# Altium PCB Cueing-PCB.PcbDoc (part 2 of 2)
Units mm, origin at the board's own origin, x right, y up, seen from the top; angles counter-clockwise.
Board outline 73.91 x 83.82 mm, 4 copper layers (Top Layer, Int1 (GND), Int2 (PWR), Bottom Layer), stack 1.556 mm thick; 118 components, 86 nets, 421 pads, 121 vias.
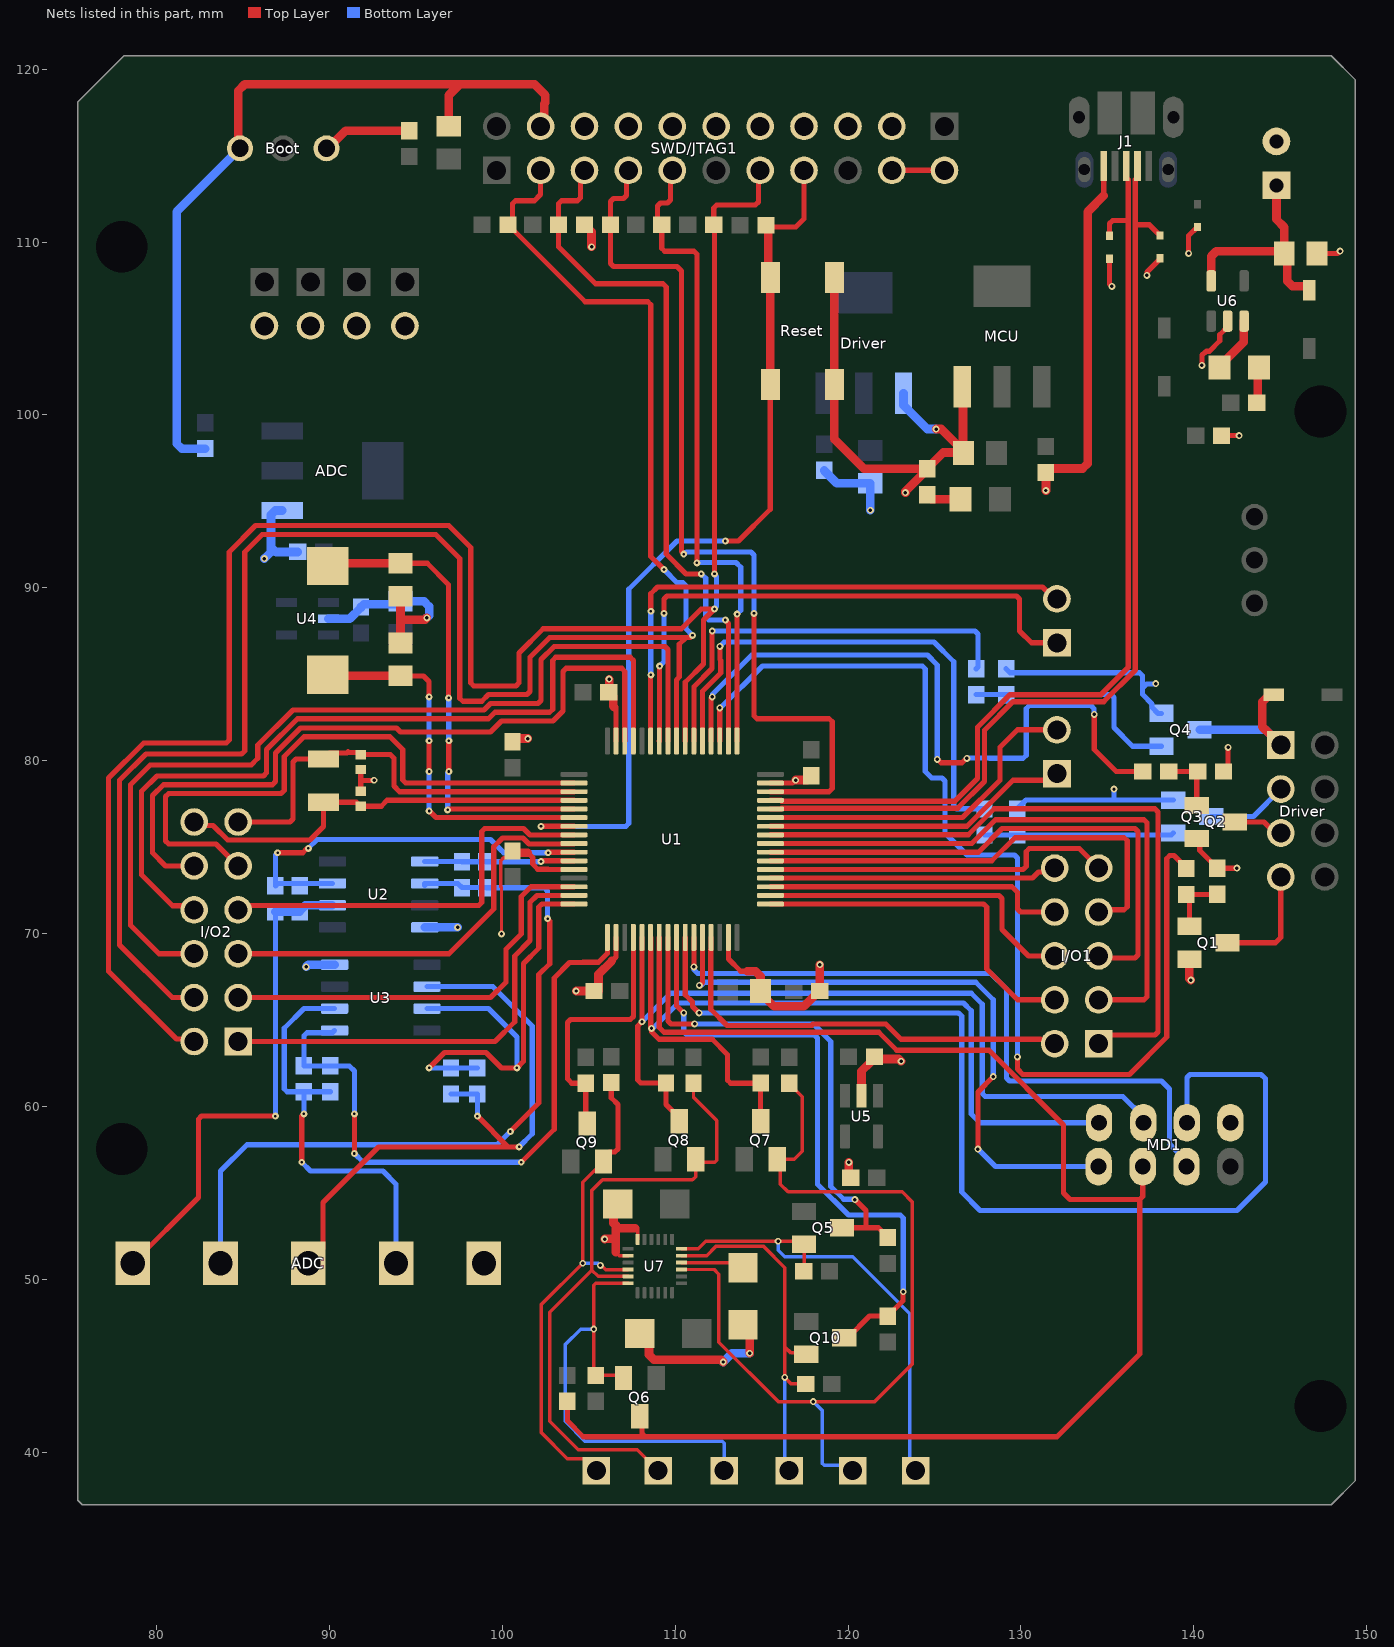
[diagram p4: the nets of this part, all layers, seen from the top]

## Via types
v1: diameter 0.4, hole 0.2, Top Layer to Bottom Layer, 77 vias
v2: diameter 0.4, hole 0.15, Top Layer to Bottom Layer, 44 vias

## Nets (pads, with @x,y where several pads share a name; then routed paths per layer and width w, separated by ;. In a path a pad name is that pad's centre, name@x,y a point inside that pad or via, vN(x,y) a via of type N, cw(c..) or ccw(c..) an arc to the next point about the centre after c; other vN are vias at no path point) (continued)
GND: 3.3v.2 ADC.1 Batterry1.2 Boot.3 C1.2 C2.2 C3.1 C4.1 C5.2 C6.2 C7.2 C8.2 C9.2 C10.2 C11.2 C12.2 C17.2 C18.2 C19.2 C20.2 C21.2 C22.2 C23.2 C24.2 C25.2 C26.2 C27.2 C28.2 C29.2 C30.2 C31.2 D2.1 D3.1 D4.1 Driver.1@123.204,101.261 J1.5 JP3.2 JP4.2 JP5.2 MCU.1 MD1.1 pad.2 pad.3 pad.4 pad.5 Q1.2 Q2.2 Q3.2 Q4.2 R7.1 R12.2 R15.1 R17.1 R20.1 R21.1 Reset.3 Reset.4 SWD/JTAG1.11 SWD/JTAG1.12 SWD/JTAG1.13 SWD/JTAG1.14 SWD/JTAG1.15 SWD/JTAG1.16 SWD/JTAG1.17 SWD/JTAG1.18 SWD/JTAG1.19 U1.12 U1.18 U1.31 U1.47 U1.63 U2.4 U3.4 U4.2 U5.2 U6.2 U7.18 U7.20 | length 214.6
  Top Layer w0.2: v1(99.949,69.977) 99.949,72.656 99.909,72.696 99.909,74.222 100.066,74.379 100.209,74.379 100.584,74.754 C9.2@100.584,74.779 ; 106.553,51.562 106.75,51.365 U7.20@107.273,51.365 ; 107.696,52.959 107.818,52.837 U7.18@107.818,52.31
  Top Layer w0.3: C3.1@91.8,79.487 91.807,79.48 91.807,78.86 ; C4.1@91.814,78.232 91.807,78.239 91.807,78.86 ; v1(92.583,78.867) 92.576,78.86 91.807,78.86 ; 101.473,74.676 101.751,74.398 101.751,74.015 102.049,73.718 102.63,73.718 102.642,73.706 U1.12@104.146,73.706 ; 106.334,68.416 106.566,68.647 106.566,69.766 U1.18@106.576,69.776 ; 106.476,83.095 106.576,82.995 U1.63@106.576,81.136 ; U1.31@113.076,69.776 113.076,68.534 113.792,67.818 114.173,67.818 ; U1.47@115.506,78.706 116.779,78.706 116.94,78.867 v1(116.967,78.867) ; 134.791,112.693 J1.5@134.791,114.4 ; D2.1@135.128,109.043 135.128,107.569 v1(135.255,107.442) ; v1(137.287,108.077) 137.287,108.266 138.049,109.028 D3.1@138.049,109.068 ; v1(139.7,109.347) 139.7,110.363 D4.1@140.208,110.871 ; Q2.2@140.167,75.504 140.343,75.328 140.343,74.803 140.348,74.803 141.351,73.8 R15.1@141.351,73.775 142.482,73.775 v1(142.494,73.787) ; v1(140.462,102.87) 140.481,102.889 140.481,103.475 140.638,103.632 140.68,103.632 140.739,103.691 140.902,103.691 141.505,104.294 141.505,104.639 141.955,105.089 U6.2@141.955,105.434 ; C19.2@141.605,98.806 v1(142.621,98.806) ; R17.1@141.72,79.375 141.986,79.641 v1(141.986,80.772) ; C28.2@147.131,109.344 148.306,109.344 148.436,109.474 v1(148.463,109.474)
  Top Layer w0.5: Boot.3@84.823,115.426 84.709,115.54 84.709,118.745 85.09,119.126 97.536,119.126 ; C1.2@94.104,89.518 94.107,89.514 94.107,88.162 ; C2.2@94.11,86.806 94.107,86.81 94.107,88.162 ; v1(95.631,88.265) 95.528,88.162 94.107,88.162 ; C12.2@96.901,116.708 96.901,118.491 97.536,119.126 ; C9.2@100.584,74.779 100.687,74.676 101.473,74.676 ; C10.2@100.584,81.091 100.773,81.28 v1(101.473,81.28) ; SWD/JTAG1.19@102.21,116.696 102.42,116.907 102.42,118.008 102.489,118.077 102.489,118.491 101.854,119.126 97.536,119.126 ; v1(104.267,66.675) C5.2@105.295,66.675 105.561,66.675 105.561,67.643 106.334,68.416 ; R7.1@104.755,111.007 104.78,111.007 105.005,110.782 105.005,110.757 105.156,110.606 v1(105.156,109.728) ; v1(105.918,52.324) 105.937,52.343 106.553,52.343 ; C8.2@106.16,83.947 106.172,83.959 v1(106.172,84.717) ; C8.2@106.41,83.722 106.41,83.161 106.476,83.095 ; 106.553,51.562 106.553,52.343 ; C30.2@106.681,54.356 106.426,54.101 106.426,53.252 106.553,53.125 ; 107.696,52.959 106.719,52.959 106.553,53.125 ; C29.2@107.952,46.863 108.482,46.333 108.482,45.632 108.774,45.339 112.649,45.339 v1(112.776,45.212) ; C31.2@113.919,47.371 114.3,46.99 v1(114.3,45.72) ; 114.173,67.818 114.642,67.818 114.935,67.525 114.935,66.68 C11.2@114.93,66.675 114.93,66.575 115.719,65.786 117.438,65.786 118.327,66.675 C6.2@118.352,66.675 118.352,68.187 v1(118.364,68.199) ; v1(116.967,78.867) 116.983,78.883 117.631,78.883 117.856,79.108 C7.2@117.856,79.133 ; Reset.4@119.199,107.959 Reset.3@119.199,101.759 119.199,98.606 120.916,96.889 R12.2@124.587,96.889 ; v1(120.045,56.759) 120.045,55.989 C27.2@120.154,55.88 ; U5.2@120.777,60.611 120.777,62.042 121.277,62.542 C26.2@121.277,62.64 ; C26.2@121.527,62.865 121.646,62.746 122.928,62.746 v1(123.063,62.611) ; v1(123.317,95.504) 123.317,95.594 124.587,96.864 R12.2@124.587,96.889 ; v1(125.095,99.187) 125.387,99.187 C17.2@126.643,97.931 ; MCU.1@126.605,101.642 126.643,101.604 C17.2@126.643,97.931 ; C17.2@126.681,97.793 126.681,97.893 C17.2@126.643,97.931 ; v1(131.445,95.631) C18.2@131.445,96.671 ; C18.2@131.67,96.901 133.565,96.901 133.858,97.194 133.858,111.76 134.791,112.693 ; Q1.2@139.743,68.519 139.743,67.394 v1(139.827,67.31) ; 106.553,52.343 106.553,53.125 ; R12.2@124.587,96.889 124.587,96.914 125.504,97.831 126.643,97.831 C17.2@126.643,97.931
  Bottom Layer w0.3: R21.1@129.141,85.322 129.373,85.09 136.857,85.09 137.033,84.914 137.033,84.201 ; R20.1@129.794,77.204 129.794,77.229 130.284,77.719 135.382,77.719 ; v1(135.382,78.359) 135.382,77.719 ; v1(137.795,84.455) 137.776,84.436 137.268,84.436 137.033,84.201 ; Q4.2@138.135,82.738 137.935,82.738 137.585,83.088 137.585,83.288 137.033,83.84 137.033,84.201 ; Q3.2@138.811,77.719 135.382,77.719
  Bottom Layer w0.5: C23.2@82.804,98.056 81.446,98.056 81.153,98.349 81.153,111.757 Boot.3@84.823,115.426 ; v1(86.233,91.694) 86.614,92.075 86.614,92.368 ; ADC.1@87.27,94.474 86.864,94.474 86.614,94.224 86.614,92.368 ; C21.2@88.162,92.075 86.907,92.075 86.614,92.368 ; v1(88.646,68.072) 88.773,68.199 U3.4@90.294,68.199 ; U4.2@89.941,88.214 89.945,88.218 91.176,88.218 91.821,88.863 C20.2@91.821,88.888 91.987,89.054 93.938,89.054 C22.2@94.104,89.219 95.465,89.219 95.758,88.927 95.758,88.392 v1(95.631,88.265) ; U2.4@95.507,70.358 v1(97.409,70.358) ; v1(112.776,45.212) 113.284,45.72 v1(114.3,45.72) ; C25.2@118.618,96.798 118.618,96.773 119.348,96.043 C24.2@121.284,96.043 v1(121.285,94.488) ; Driver.1@123.204,101.261 123.204,100.561 124.578,99.187 v1(125.095,99.187)
I2C_SCL: I2C.1 U1.58 | length 33.4
  Top Layer w0.3: U1.58@109.076,81.136 109.084,81.145 109.084,85.462 v2(109.093,85.471) ; v2(109.347,88.519) 109.347,89.359 109.523,89.535 129.745,89.535 129.921,89.359 129.921,87.503 130.603,86.821 I2C.1@132.08,86.821
  Bottom Layer w0.3: v2(109.093,85.471) 109.347,85.725 v2(109.347,88.519)
I2C_SDA: I2C.2 U1.59 | length 32.5
  Top Layer w0.3: U1.59@108.576,81.136 108.576,84.954 v2(108.585,84.963) ; v2(108.585,88.646) 108.585,89.662 108.966,90.043 131.254,90.043 131.936,89.361 I2C.2@132.08,89.361
  Bottom Layer w0.3: v2(108.585,84.963) v2(108.585,88.646)
IMU_CS: Q9.3 R29.1 U1.20 | length 15.3
  Top Layer w0.3: Q9.3@104.902,59.012 104.821,59.093 R29.1@104.821,61.341 104.013,61.341 103.759,61.595 103.759,64.848 103.935,65.024 107.4,65.024 107.576,65.2 U1.20@107.576,69.776
IMU_FSYNC: Q10.3 R30.1 U1.25 | length 36.8
  Top Layer w0.3: U1.25@110.076,69.776 110.076,65.819 v1(110.49,65.405) ; Q10.3@119.781,46.609 119.981,46.609 121.239,47.867 R30.1@122.301,47.867 ; R30.1@122.289,47.88 123.171,48.762 123.171,49.257 v1(123.19,49.276)
  Bottom Layer w0.3: v1(110.49,65.405) 110.49,64.311 110.666,64.135 118.061,64.135 118.237,63.959 118.237,55.499 120.015,53.721 123.014,53.721 123.19,53.545 v1(123.19,49.276)
IMU_INT: Q5.3 R24.1 U1.24 | length 29.6
  Top Layer w0.3: U1.24@109.576,69.776 109.576,64.946 109.751,64.77 v1(111.125,64.77) ; Q5.3@119.654,52.975 121.031,52.975 ; v1(120.396,54.61) 121.031,53.975 121.031,52.975 ; R24.1@122.301,52.411 122.301,52.436 121.762,52.975 121.031,52.975
  Bottom Layer w0.3: v1(111.125,64.77) 117.992,64.77 118.999,63.763 118.999,55.372 119.746,54.625 120.381,54.625 v1(120.396,54.61)
IMU_MISO: MISO.1 Q7.2 R27.1 U7.9 | length 50.3
  Top Layer w0.2: U7.9@110.363,50.565 112.249,50.565 112.522,50.292 112.522,46.355 115.951,42.926 v1(117.983,42.926) 121.539,42.926 123.698,45.085 123.698,54.483 123.126,55.055 116.522,55.055 116.078,55.499 116.078,56.756 Q7.2@115.895,56.939 116.883,56.939 117.348,57.404 117.348,60.554 116.586,61.316 R27.1@116.586,61.341
  Bottom Layer w0.2: v1(117.983,42.926) 118.491,42.418 118.491,39.36 118.608,39.243 119.948,39.243 MISO.1@120.265,38.926
IMU_MOSI: MOSI.1 Q6.2 R25.1 U7.24 | length 26.9
  Top Layer w0.2: Q6.2@107,44.48 Q6.2@107,44.28 106.842,44.438 R25.1@105.41,44.438 105.283,44.565 v1(105.283,47.117) 105.283,49.648 105.4,49.765 U7.24@107.273,49.765
  Bottom Layer w0.2: v1(105.283,47.117) 104.521,47.117 103.632,46.228 103.632,41.783 104.775,40.64 112.708,40.64 112.825,40.523 MOSI.1@112.825,38.926
IMU_SCK: Q8.2 R31.1 SCK.1 U7.23 | length 37.7
  Top Layer w0.2: U7.23@107.273,50.165 105.537,50.165 105.175,50.527 ; SCK.1@109.009,38.926 107.802,40.133 104.393,40.133 102.743,41.783 102.743,48.095 105.175,50.527 ; R31.1@111.056,61.341 111.056,60.521 112.395,59.182 112.395,56.886 112.278,56.769 111.356,56.769 Q8.2@111.186,56.939 111.186,55.941 110.998,55.753 105.791,55.753 105.175,55.137 105.175,50.527
INPUT_1: ADC.5 C15.2 R10.1 U2.6 | length 29.7
  Top Layer w0.3: ADC.5@78.613,50.927 82.423,54.737 82.423,59.26 82.599,59.436 v2(86.868,59.436)
  Bottom Layer w0.3: v2(86.868,59.436) C15.2@86.868,71.259
  Bottom Layer w0.5: C15.2@86.868,71.259 R10.1@88.265,71.259 88.265,71.284 88.609,71.628 U2.6@90.167,71.628
INPUT_2: ADC.4@83.693,50.927 C13.2 R8.1 U2.2 | length 45.4
  Top Layer w0.3: v2(100.457,58.547) 102.108,60.198 102.108,67.622 102.743,68.257 102.743,70.712 102.616,70.839 v2(102.616,70.866)
  Bottom Layer w0.3: ADC.4@83.693,50.927 83.693,56.261 85.217,57.785 99.695,57.785 v2(100.457,58.547) ; U2.2@95.507,72.898 95.507,72.774 95.631,72.898 97.421,72.898 R8.1@97.663,72.656 C13.2@99.06,72.656 99.072,72.644 102.44,72.644 102.616,72.468 v2(102.616,70.866)
INPUT_3: ADC.3@88.773,50.927 C16.2 R11.1 U3.6 | length 36.2
  Top Layer w0.3: ADC.3@88.773,50.927 89.623,51.777 89.623,54.444 92.837,57.658 100.33,57.658 ; v2(98.552,59.436) 100.33,57.658 ; v2(100.965,57.658) 100.33,57.658
  Bottom Layer w0.3: U3.6@95.634,66.929 99.441,66.929 101.727,64.643 101.727,58.42 v2(100.965,57.658) ; C16.2@97.028,60.718 R11.1@98.552,60.718 v2(98.552,59.436)
INPUT_4: ADC.2@93.853,50.927 C14.2 R9.1 U3.2 | length 24.3
  Top Layer w0.3: v2(88.392,56.769) 88.392,59.436 v2(88.519,59.563)
  Bottom Layer w0.3: v2(88.392,56.769) 88.9,56.261 93.091,56.261 93.853,55.499 ADC.2@93.853,50.927 ; v2(88.519,59.563) C14.2@88.519,60.845 ; R9.1@90.043,60.845 C14.2@88.519,60.845 ; U3.2@90.294,65.659 88.519,65.659 87.376,64.516 87.376,61.021 87.552,60.845 C14.2@88.519,60.845
LED1: Driver.4@145.034,73.279 Q1.3 | length 6.7
  Top Layer w0.3: Q1.3@141.943,69.469 144.731,69.469 145.034,69.772 Driver.4@145.034,73.279
LED2: Driver.3@145.034,75.819 Q2.3 | length 2.9
  Top Layer w0.3: Q2.3@142.367,76.454 144.052,76.454 144.687,75.819 Driver.3@145.034,75.819
LED3: Driver.2@145.034,78.359 Q3.3 | length 4.7
  Bottom Layer w0.3: Q3.3@141.011,76.769 143.444,76.769 Driver.2@145.034,78.359
NetBatterry1_1: Batterry1.1 C28.1 D5.A U6.5 | length 13.2
  Top Layer w0.5: U6.5@141.005,107.754 141.005,109.181 141.298,109.474 145.101,109.474 C28.1@145.231,109.344 ; Batterry1.1@144.78,113.284 144.78,111.314 145.231,110.863 C28.1@145.231,109.344 ; D5.A@146.685,107.217 146.685,107.327 146.57,107.442 145.708,107.442 145.415,107.735 145.415,109.16 C28.1@145.231,109.344
NetBoot1_1: Boot.1 R1.1 | length 5.2
  Top Layer w0.5: Boot.1@89.823,115.426 89.908,115.426 90.929,116.447 R1.1@94.615,116.447
NetC31_1: C31.1 U7.10 | length 3.7
  Top Layer w0.2: U7.10@110.363,50.965 113.625,50.965 C31.1@113.919,50.671
NetJP1_2: JP1.2 SWD/JTAG1.10 | length 3
  Top Layer w0.3: SWD/JTAG1.10@122.53,114.156 JP1.2@125.578,114.156
NetL1_2: "PWR LED.2" R12.1 | length 2
  Top Layer w0.5: R12.1@124.587,95.389 124.587,95.364 124.828,95.123 126.492,95.123
NetL2_1: LED.1 R13.1 | length 2.1
  Top Layer w0.5: R13.1@143.637,100.711 143.701,100.774 143.701,102.679 LED.1@143.764,102.743
NetL2_2: LED.2 U6.3 | length 3.3
  Top Layer w0.5: LED.2@141.478,102.743 141.478,102.806 142.88,104.208 142.88,105.409 U6.3@142.905,105.434
NetQ1_1: Q1.1 R14.2 R15.2 | length 3.7
  Top Layer w0.3: Q1.1@139.743,70.419 139.743,72.093 R14.2@139.573,72.263 141.339,72.263 R15.2@141.351,72.275
NetQ2_1: Q2.1 R16.2 R17.2 | length 3.7
  Top Layer w0.3: R16.2@138.545,79.375 R17.2@140.22,79.375 140.167,79.322 Q2.1@140.167,77.404
NetQ3_1: Q3.1 R18.2 R20.2 | length 11
  Bottom Layer w0.3: R18.2@127.889,75.704 R20.2@129.794,75.704 138.696,75.704 Q3.1@138.811,75.819
NetQ4_1: Q4.1 R19.2 R21.2 | length 13
  Bottom Layer w0.3: R19.2@127.413,83.822 135.206,83.822 135.382,83.647 135.382,81.915 136.459,80.838 Q4.1@138.135,80.838 ; R21.2@129.186,83.445 R21.2@129.186,83.47
NRF24_CS: MD1.3 U1.26 | length 62.2
  Top Layer w0.3: U1.26@110.576,69.776 110.576,66.462 110.998,66.04 110.998,65.786 v1(111.379,65.405)
  Bottom Layer w0.3: v1(111.379,65.405) 126.395,65.405 126.57,65.229 126.57,55.04 127.635,53.975 142.494,53.975 144.145,55.626 144.145,61.595 143.891,61.849 139.774,61.849 139.598,61.673 MD1.3@139.598,59.055
NRF24_CSN: MD1.4 U1.27 | length 40.2
  Top Layer w0.3: v1(111.076,68.076) U1.27@111.076,69.776
  Bottom Layer w0.3: v1(111.076,68.076) 111.095,68.057 111.095,67.898 111.301,67.691 128.27,67.691 129.159,66.802 129.159,61.644 129.335,61.468 138.127,61.468 138.586,61.009 138.586,57.832 139.573,56.845 MD1.4@139.573,56.515
NRF24_INT: MD1.8 U1.28 | length 36.8
  Top Layer w0.3: v1(111.394,66.998) 111.4,66.998 111.576,67.174 U1.28@111.576,69.776 ; v1(127.508,57.531) 127.508,60.833 v1(128.397,61.722)
  Bottom Layer w0.3: v1(111.394,66.998) 111.413,67.017 111.522,67.017 111.688,67.183 127.381,67.183 128.397,66.167 v1(128.397,61.722) ; v1(127.508,57.531) 128.524,56.515 MD1.8@134.493,56.515
NRST: R2.1 Reset.1 Reset.2 SWD/JTAG1.8 U1.7 | length 52.3
  Top Layer w0.3: v2(102.235,76.2) 102.238,76.203 104.142,76.203 U1.7@104.146,76.206 ; v2(112.903,92.71) 113.665,92.71 115.499,94.544 Reset.1@115.499,101.759 ; R2.1@115.365,110.871 116.967,110.871 117.45,111.354 SWD/JTAG1.8@117.45,114.156
  Top Layer w0.5: R2.1@115.248,110.987 115.365,110.871 115.374,110.862 115.374,108.084 Reset.2@115.499,107.959 Reset.1@115.499,101.759
  Bottom Layer w0.3: v2(102.235,76.2) 107.139,76.2 107.315,76.376 107.315,89.916 110.109,92.71 v2(112.903,92.71)
OSC32_IN: C3.2 I/O2.6 U1.3 Y2.1 | length 24.9
  Top Layer w0.3: I/O2.6@84.709,76.454 87.708,76.454 87.884,76.63 87.884,79.925 88.06,80.1 Y2.1@89.649,80.1 89.999,80.45 90.991,80.45 91.059,80.518 91.106,80.471 91.68,80.471 C3.2@91.8,80.351 93.512,80.351 93.726,80.137 93.726,78.535 94.054,78.206 U1.3@104.146,78.206
OSC32_OUT: C4.2 I/O2.7 U1.4 Y2.2 | length 24.4
  Top Layer w0.3: I/O2.7@82.169,76.454 82.364,76.259 83.253,76.259 84.108,75.404 88.866,75.404 89.649,76.187 Y2.2@89.649,77.6 91.552,77.6 91.784,77.368 C4.2@91.814,77.368 92.989,77.368 93.327,77.706 U1.4@104.146,77.706
OSC_IN: C1.1 U1.5 Y1.1 | length 28
  Top Layer w0.3: C1.1@94.104,91.418 95.653,91.418 96.889,90.182 v2(96.889,83.632) ; v2(96.835,77.156) 96.89,77.211 104.141,77.211 U1.5@104.146,77.206 ; v2(96.901,79.375) v2(96.901,81.153)
  Top Layer w0.5: Y1.1@89.903,91.271 90.049,91.418 C1.1@94.104,91.418
  Bottom Layer w0.3: v2(96.835,77.156) 96.835,79.282 96.901,79.348 v2(96.901,79.375) ; v2(96.889,83.632) 96.901,83.62 v2(96.901,81.153)
OSC_OUT: C2.1 U1.6 Y1.2 | length 22.1
  Top Layer w0.3: C2.1@94.488,84.906 95.434,84.906 95.758,84.582 v2(95.758,83.693) ; v2(95.758,77.089) 95.785,77.089 96.168,76.706 U1.6@104.146,76.706 ; v2(95.758,79.375) v2(95.758,81.153)
  Top Layer w0.5: Y1.2@89.903,84.971 89.968,84.906 C2.1@94.11,84.906 C2.1@94.488,84.906
  Bottom Layer w0.3: v2(95.758,77.089) v2(95.758,79.375) ; v2(95.758,81.153) v2(95.758,83.693)
PA0: I/O2.2 U1.14 | length 24.5
  Top Layer w0.3: I/O2.2@84.709,66.294 99.314,66.294 100.203,67.183 100.203,69.088 101.092,69.977 101.092,72.136 101.662,72.706 U1.14@104.146,72.706
PA1: I/O2.1 U1.15 | length 26.5
  Top Layer w0.3: I/O2.1@84.709,63.754 99.568,63.754 100.711,64.897 100.711,68.707 101.6,69.596 101.6,71.813 101.994,72.206 U1.15@104.146,72.206
PA2: C16.1 R11.2 U1.16 U3.7 | length 28.2
  Top Layer w0.3: v2(95.758,62.23) 96.647,63.119 99.06,63.119 99.949,62.23 v2(100.838,62.23) 101.219,62.611 101.219,68.266 102.108,69.155 102.108,71.531 102.284,71.706 U1.16@104.146,71.706
  Bottom Layer w0.3: U3.7@95.634,65.659 99.187,65.659 100.838,64.008 v2(100.838,62.23) ; v2(95.758,62.23) 97.016,62.23 C16.1@97.028,62.218 R11.2@98.552,62.218
PA3: C14.1 R9.2 U1.17 U3.1 | length 37.4
  Top Layer w0.3: v2(91.44,57.277) v2(91.44,59.563) ; v2(101.092,56.769) 102.997,58.674 102.997,67.437 103.886,68.326 104.648,68.326 104.666,68.344 105.555,68.344 106.076,68.865 U1.17@106.076,69.776
  Bottom Layer w0.3: U3.1@90.294,64.389 90.167,64.262 88.695,64.262 88.519,64.086 C14.1@88.519,62.345 R9.2@90.043,62.345 91.137,62.345 91.44,62.042 v2(91.44,59.563) ; v2(91.44,57.277) 91.948,56.769 v2(101.092,56.769)
PA8: I/O1.1 U1.41 | length 39.6
  Top Layer w0.3: U1.41@115.506,75.706 115.51,75.711 126.95,75.711 128.455,77.216 137.746,77.216 137.922,77.04 137.922,64.311 137.746,64.135 135.001,64.135 I/O1.1@134.493,63.627
PB3: I/O2.12 R3.1 SWD/JTAG1.7 U1.55 | length 112.9
  Top Layer w0.3: I/O2.12@82.169,63.754 82.03,63.893 81.141,63.893 77.216,67.818 77.216,78.994 79.248,81.026 84.025,81.026 84.201,81.202 84.201,92.075 85.725,93.599 96.901,93.599 98.171,92.329 98.171,84.504 98.347,84.328 100.789,84.328 100.965,84.504 100.965,86.233 102.362,87.63 110.363,87.63 111.506,88.773 v2(112.268,88.773) 111.633,88.138 111.633,85.598 110.576,84.541 U1.55@110.576,81.136 ; v2(112.268,90.805) 112.268,110.866 112.31,110.908 R3.1@112.225,110.993 112.225,111.965 112.401,112.141 114.632,112.141 114.808,112.317 114.808,114.055 SWD/JTAG1.7@114.91,114.156
  Bottom Layer w0.3: v2(112.268,88.773) 112.268,88.8 112.395,88.927 112.395,90.651 112.268,90.778 v2(112.268,90.805)
PB4: I/O2.11 R6.1 SWD/JTAG1.2 U1.56 | length 113.6
  Top Layer w0.3: I/O2.11@82.169,66.294 80.899,66.294 77.851,69.342 77.851,78.867 79.375,80.391 84.914,80.391 85.09,80.567 85.09,92.075 86.106,93.091 96.139,93.091 97.536,91.694 97.536,83.615 97.712,83.439 98.806,83.439 99.187,83.82 101.424,83.82 101.6,83.996 101.6,85.979 102.743,87.122 110.617,87.122 ; R6.1@100.318,110.998 100.584,110.998 100.584,112.219 100.76,112.395 101.854,112.395 102.21,112.751 SWD/JTAG1.2@102.21,114.156 ; R6.1@100.541,110.93 100.541,110.8 104.788,106.553 108.409,106.553 108.585,106.377 108.585,91.821 v2(109.347,91.059) ; U1.56@110.076,81.136 110.076,84.676 110.236,84.836 110.236,86.741 110.617,87.122 ; v2(110.998,87.249) 110.871,87.122 110.617,87.122
  Bottom Layer w0.3: v2(109.347,91.059) 110.109,90.297 110.441,90.297 110.617,90.121 110.617,87.63 v2(110.998,87.249)
PB5: I/O2.10 U1.57 | length 54.1
  Top Layer w0.3: I/O2.10@82.169,68.834 80.137,68.834 78.486,70.485 78.486,78.613 79.629,79.756 85.471,79.756 85.852,80.137 85.852,80.899 87.884,82.931 98.933,82.931 99.314,83.312 102.059,83.312 102.235,83.488 102.235,85.852 102.997,86.614 109.4,86.614 109.576,86.438 U1.57@109.576,81.136
PB8: I/O2.9 U1.61 | length 47.6
  Top Layer w0.3: I/O2.9@82.169,71.374 81.935,71.608 80.919,71.608 79.121,73.406 79.121,78.232 80.01,79.121 86.184,79.121 86.36,79.297 86.36,80.645 88.138,82.423 99.187,82.423 99.568,82.804 102.733,82.804 102.909,82.98 102.909,85.803 103.085,85.979 107.4,85.979 107.576,85.803 U1.61@107.576,81.136
PB9: I/O2.8 U1.62 | length 43
  Top Layer w0.3: I/O2.8@82.169,73.914 80.518,73.914 79.756,74.676 79.756,77.978 80.391,78.613 86.692,78.613 86.868,78.789 86.868,80.446 88.318,81.896 93.872,81.896 94.107,81.661 99.314,81.661 99.949,82.296 102.932,82.296 103.505,82.869 103.505,85.168 103.681,85.344 106.9,85.344 107.076,85.168 U1.62@107.076,81.136
PB10: I/O1.10 U1.29 | length 25
  Top Layer w0.3: U1.29@112.076,69.776 112.066,69.766 112.066,69.085 112.053,69.073 112.053,65.621 112.988,64.686 117.894,64.686 117.978,64.77 122.174,64.77 123.063,63.881 131.127,63.881 131.133,63.876 131.704,63.876 I/O1.10@131.953,63.627
PB12: I/O1.9 U1.33 | length 20.8
  Top Layer w0.3: U1.33@115.506,71.706 127.84,71.706 128.016,71.531 128.016,67.945 129.794,66.167 I/O1.9@131.953,66.167
PB13: I/O1.8 U1.34 | length 19
  Top Layer w0.3: U1.34@115.506,72.206 128.729,72.206 128.905,72.031 128.905,70.231 130.429,68.707 I/O1.8@131.953,68.707
PB14: I/O1.7 U1.35 | length 17.6
  Top Layer w0.3: U1.35@115.506,72.706 129.478,72.706 129.794,72.39 129.794,71.423 129.97,71.247 I/O1.7@131.953,71.247
PB15: I/O1.6 U1.36 | length 16.7
  Top Layer w0.3: U1.36@115.506,73.206 130.659,73.206 131.012,73.56 131.726,73.56 I/O1.6@131.953,73.787
PC0: I/O2.4 U1.8 | length 23.9
  Top Layer w0.3: I/O2.4@84.709,71.374 84.958,71.623 85.529,71.623 85.535,71.628 98.63,71.628 98.806,71.804 98.806,75.897 98.982,76.073 101.219,76.073 101.6,75.692 103.45,75.692 103.455,75.696 104.136,75.696 U1.8@104.146,75.706
PC1: I/O2.3 U1.9 | length 24.5
  Top Layer w0.3: I/O2.3@84.709,68.834 96.91,68.834 99.499,71.423 99.499,75.023 100.005,75.529 101.197,75.529 101.542,75.184 103.442,75.184 103.455,75.196 104.136,75.196 U1.9@104.146,75.206
PC2: C15.1 R10.2 U1.10 U2.7 | length 23.1
  Top Layer w0.3: v2(86.995,74.676) 88.456,74.676 88.69,74.911 88.754,74.911 v2(88.773,74.93) ; v2(102.643,74.676) 102.673,74.706 U1.10@104.146,74.706
  Bottom Layer w0.3: v2(86.995,74.676) 86.868,74.549 C15.1@86.868,72.759 87.007,72.898 U2.7@90.167,72.898 ; v2(88.773,74.93) 89.281,75.438 99.314,75.438 99.948,74.804 100.076,74.676 v2(102.643,74.676)
PC3: C13.1 R8.2 U1.11 U2.1 | length 8.7
  Top Layer w0.3: v2(102.235,74.168) 102.262,74.168 102.3,74.206 U1.11@104.146,74.206
  Bottom Layer w0.3: U2.1@95.507,74.168 97.651,74.168 R8.2@97.663,74.156 C13.1@99.06,74.156 102.223,74.156 v2(102.235,74.168)
PC6: I/O1.5 U1.37 | length 20.5
  Top Layer w0.3: U1.37@115.506,73.706 130.126,73.706 130.302,73.882 130.302,74.735 130.478,74.911 133.369,74.911 I/O1.5@134.493,73.787
PC7: I/O1.4 U1.38 | length 26.9
  Top Layer w0.3: U1.38@115.506,74.206 128.308,74.206 129.648,75.546 135.968,75.546 136.144,75.37 136.144,71.55 135.968,71.374 134.62,71.374 I/O1.4@134.493,71.247
PC8: I/O1.3 U1.39 | length 31.5
  Top Layer w0.3: U1.39@115.506,74.706 127.538,74.706 128.905,76.073 136.603,76.073 136.779,75.897 136.779,68.756 136.603,68.58 134.62,68.58 I/O1.3@134.493,68.707
PC9: I/O1.2 U1.40 | length 35.4
  Top Layer w0.3: U1.40@115.506,75.206 127.149,75.206 128.524,76.581 137.111,76.581 137.287,76.405 137.287,66.343 137.111,66.167 I/O1.2@134.493,66.167
PC10: R14.1 U1.51 | length 63.7
  Top Layer w0.3: v1(112.574,83.058) 112.576,83.056 U1.51@112.576,81.136 ; v1(129.794,62.865) 129.794,62.161 130.106,61.849 136.271,61.849 138.43,64.008 138.43,74.331 138.606,74.507 138.854,74.507 139.573,73.788 R14.1@139.573,73.763
  Bottom Layer w0.3: v1(112.574,83.058) 112.626,83.058 115.039,85.471 124.284,85.471 124.46,85.295 124.46,79.375 124.841,78.994 125.427,78.994 125.603,78.818 125.603,75.819 126.873,74.549 129.618,74.549 129.794,74.373 v1(129.794,62.865)
PC11: R16.1 U1.52 | length 40.3
  Top Layer w0.3: U1.52@112.076,81.136 112.072,81.14 112.072,83.624 v1(112.141,83.693) ; v1(125.158,80.073) 125.186,80.073 125.376,79.883 126.592,79.883 126.846,80.137 v1(126.873,80.137) ; v1(134.239,82.677) 134.239,80.645 135.509,79.375 R16.1@137.045,79.375
  Bottom Layer w0.3: v1(112.141,83.693) 112.16,83.712 112.16,83.839 114.427,86.106 124.587,86.106 125.158,85.534 v1(125.158,80.073) ; v1(126.873,80.137) 126.892,80.156 128.162,80.156 128.181,80.137 130.126,80.137 130.302,80.313 130.302,83.009 130.478,83.185 134.044,83.185 134.22,83.009 134.22,82.696 v1(134.239,82.677)
PC12: R18.1 U1.53 | length 30.2
  Top Layer w0.3: U1.53@111.576,81.136 111.576,84.017 112.63,85.071 112.63,85.804 112.58,85.854 v1(112.58,86.614)
  Bottom Layer w0.3: v1(112.58,86.614) 112.834,86.868 124.968,86.868 126.111,85.725 126.111,77.392 126.287,77.216 127.877,77.216 R18.1@127.889,77.204
PC13: I/O2.5 U1.2 | length 35.7
  Top Layer w0.3: I/O2.5@84.709,73.914 83.439,75.184 80.694,75.184 80.518,75.36 80.518,77.929 80.694,78.105 87.2,78.105 87.376,78.281 87.376,80.247 88.517,81.388 93.491,81.388 94.234,80.645 94.234,78.882 94.41,78.706 U1.2@104.146,78.706
PD2: R19.1 U1.54 | length 24.3
  Top Layer w0.3: U1.54@111.076,81.136 111.076,84.279 112.13,85.333 112.13,87.492 v1(112.141,87.503)
  Bottom Layer w0.3: v1(112.141,87.503) 127.332,87.503 127.508,87.327 127.508,85.417 R19.1@127.413,85.322
S_IMU_CS: CS.1 Q9.2 R32.1 U7.22 | length 29.3
  Top Layer w0.2: CS.1@105.431,38.926 104.731,39.626 103.757,39.626 102.235,41.148 102.235,48.514 v1(104.648,50.927) 104.648,55.608 Q9.2@105.852,56.812 ; v1(105.664,50.8) 105.718,50.8 105.972,50.546 106.982,50.546 106.991,50.555 107.263,50.555 U7.22@107.273,50.565
  Top Layer w0.3: Q9.2@105.852,56.812 105.852,57.012 106.202,57.362 106.504,57.362 106.68,57.538 106.68,60.117 106.296,60.501 R32.1@106.296,61.379
  Bottom Layer w0.2: v1(104.648,50.927) 105.537,50.927 v1(105.664,50.8)
S_IMU_FSYNC: FSYNC.1 Q10.2 R33.1 U7.11 | length 21.4
  Top Layer w0.2: U7.11@110.363,51.365 111.817,51.365 112.349,51.897 115.108,51.897 116.332,50.673 116.332,46.101 ; R33.1@117.55,43.942 116.713,43.942 v1(116.332,44.323) 116.332,46.101 ; Q10.2@117.581,45.659 117.504,45.735 116.698,45.735 116.332,46.101
  Bottom Layer w0.2: v1(116.332,44.323) 116.332,39.18 FSYNC.1@116.586,38.926
S_IMU_INT: INT.1 Q5.2 R23.1 U7.12 | length 27.8
  Top Layer w0.2: U7.12@110.363,51.765 111.328,51.765 111.76,52.197 v1(115.951,52.197) 117.282,52.197 Q5.2@117.454,52.025 117.454,50.494 R23.1@117.426,50.466
  Bottom Layer w0.2: v1(115.951,52.197) 115.951,51.689 116.332,51.308 120.269,51.308 123.571,48.006 123.571,39.266 INT.1@123.911,38.926
SPI_MISO: MD1.7 Q7.3 R22.1 U1.22 | length 48.9
  Top Layer w0.3: U1.22@108.576,69.776 108.585,69.767 108.585,64.584 108.626,64.543 v1(108.626,64.516) ; v1@108.645,64.489 108.645,64.303 109.067,63.881 112.141,63.881 113.03,62.992 113.03,61.517 113.206,61.341 114.923,61.341 R22.1@114.935,61.353 114.935,59.149 Q7.3@114.945,59.139
  Bottom Layer w0.3: v1(108.626,64.516) 108.712,64.516 110.178,65.982 111.438,65.982 126.677,65.982 127.127,65.532 127.127,59.563 127.635,59.055 MD1.7@134.518,59.055
SPI_MOSI: MD1.6 Q6.3 R26.1 U1.23 | length 88.3
  Top Layer w0.3: R26.1@103.759,42.938 103.759,41.813 104.678,40.894 108.253,40.894 ; Q6.3@107.95,42.08 108.077,41.953 108.077,41.07 108.253,40.894 ; U1.23@109.076,69.776 109.076,64.565 109.354,64.286 121.769,64.286 122.809,63.246 128.143,63.246 132.461,58.928 132.461,54.991 132.842,54.61 136.87,54.61 ; MD1.6@137.046,56.515 137.046,54.786 136.87,54.61 ; 108.253,40.894 132.08,40.894 136.87,45.684 136.87,54.61
SPI_SCK: MD1.5 Q8.3 R28.1 U1.21 | length 48.6
  Top Layer w0.3: U1.21@108.076,69.776 108.077,69.775 v1(108.077,64.897) 107.831,64.651 107.831,61.529 108.007,61.353 R28.1@109.466,61.353 109.466,60.109 110.236,59.339 Q8.3@110.236,59.139
  Bottom Layer w0.3: v1(108.077,64.897) 109.728,66.548 127.127,66.548 127.762,65.913 127.762,60.755 127.938,60.579 135.89,60.579 137.084,59.385 MD1.5@137.084,59.055
TCK: R4.1 SWD/JTAG1.5 U1.49 | length 38.1
  Top Layer w0.3: SWD/JTAG1.5@109.83,114.156 109.728,114.055 109.728,112.444 109.552,112.268 109.142,112.268 108.966,112.092 108.966,111.265 109.22,111.011 109.22,109.65 109.396,109.474 111.076,109.474 111.252,109.298 v2(111.252,91.44) ; U1.49@113.576,81.136 v2(113.576,88.481)
  Bottom Layer w0.3: v2(111.252,91.44) 111.271,91.459 111.342,91.459 111.35,91.467 113.511,91.467 113.792,91.186 113.792,88.707 113.576,88.491 v2(113.576,88.481)
TDI: R5.1 SWD/JTAG1.3 U1.50 | length 41.6
  Top Layer w0.3: SWD/JTAG1.3@104.75,114.156 104.521,113.928 104.521,112.571 104.345,112.395 103.427,112.395 103.251,112.219 103.251,111.01 R5.1@103.248,111.007 103.248,109.731 105.391,107.588 109.298,107.588 109.474,107.412 109.474,91.948 110.617,90.805 v2(111.506,90.805) ; v2(112.903,88.138) 112.903,88.111 113.076,87.938 U1.50@113.076,81.136
  Bottom Layer w0.3: v2(111.506,90.805) 111.76,90.551 111.76,88.314 111.936,88.138 v2(112.903,88.138)
TMS: R7.2 SWD/JTAG1.4 U1.46 | length 52.6
  Top Layer w0.3: SWD/JTAG1.4@107.29,114.156 107.188,114.055 107.188,112.698 107.012,112.522 106.431,112.522 106.255,112.346 106.255,108.761 106.431,108.585 110.109,108.585 110.363,108.331 110.363,92.102 110.49,91.975 v2(110.49,91.948) ; v2(114.554,88.519) 114.554,82.599 114.73,82.423 118.902,82.423 119.077,82.247 119.077,78.382 118.902,78.206 U1.46@115.506,78.206
  Bottom Layer w0.3: v2(110.49,91.948) 110.517,91.948 110.644,92.075 114.378,92.075 114.554,91.899 v2(114.554,88.519)
UART_Rx: U1.43 UART.2 | length 19.8
  Top Layer w0.3: U1.43@115.506,76.706 126.617,76.706 128.778,78.867 128.778,80.772 129.794,81.788 UART.2@132.08,81.788
UART_Tx: U1.42 UART.1 | length 17.8
  Top Layer w0.3: U1.42@115.506,76.206 126.879,76.206 129.54,78.867 131.699,78.867 UART.1@132.08,79.248
USB_N: D3.2 J1.2 U1.44 | length 57.1
  Top Layer w0.305: U1.44@115.506,77.206 116.121,77.206 116.168,77.253 126.342,77.253 127.889,78.8 127.889,81.763 129.54,83.414 134.788,83.414 136.619,85.244 136.619,110.998 ; J1.2@136.741,114.4 136.741,113.725 136.619,113.603 136.619,110.998 ; D3.2@138.049,110.388 138.049,110.428 138.001,110.476 137.961,110.476 137.439,110.998 136.619,110.998
USB_P: D2.2 J1.3 U1.45 | length 56.6
  Top Layer w0.305: U1.45@115.506,77.706 116.121,77.706 116.168,77.66 126.174,77.66 127.483,78.969 127.483,81.931 129.372,83.82 134.62,83.82 136.212,85.412 136.212,111.252 ; D2.2@135.128,110.363 135.128,111.073 135.307,111.252 136.212,111.252 ; J1.3@136.09,114.4 136.09,113.725 136.212,113.603 136.212,111.252
Vibrator: D6.A Driver.1@145.034,80.899 Q4.3 | length 8.9
  Top Layer w0.5: D6.A@144.624,83.82 144.384,83.82 143.963,83.399 143.963,81.97 144.479,81.454 144.484,81.454 145.034,80.904 Driver.1@145.034,80.899
  Bottom Layer w0.5: Q4.3@140.335,81.788 144.15,81.788 145.034,80.904 Driver.1@145.034,80.899
pads on no net: ADC.4@93.07,96.774 Driver.4@120.904,107.061 J1.4 J1.6 J1.7 J1.8 J1.9 J1.10 J1.11 J1.S1 J1.S2 MCU.4 SWD/JTAG1.6 SWD/JTAG1.9 U4.3 U5.4 U6.4 U7.1 U7.2 U7.3 U7.4 U7.5 U7.6 U7.7 U7.14 U7.15 U7.16 U7.17 U7.19 U7.21

## Polygon pours and split planes (outlines as drawn)
GND on Int1 (GND) "+3.3V_STM32_L01_P001" (solid, remove dead copper, pour order 0): 78.105,120.777 75.438,118.11 75.438,37.211 75.692,36.957 147.955,36.957 149.352,38.354 149.352,119.38 147.955,120.777
+1.8V on Int2 (PWR) "+3.3V_STM32_L01_P001" (solid, remove dead copper, pour order 1): 147.955,120.777 149.352,119.38 149.352,38.354 147.955,36.957 75.692,36.957 75.438,37.211 75.438,118.11 78.105,120.777
+3.3V_STM32 on Top Layer "+3.3V_STM32_L01_P001" (solid, remove dead copper, pour order 2): 78.105,120.777 75.438,118.11 75.438,37.211 75.692,36.957 147.955,36.957 149.352,38.354 149.352,119.38 147.955,120.777
+AVCC on Bottom Layer "+3.3V_STM32_L01_P001" (solid, remove dead copper, pour order 4): 78.105,120.777 75.438,118.11 75.438,37.211 75.692,36.957 147.955,36.957 149.352,38.354 149.352,119.38 147.955,120.777

## Keep-outs
Keep-Out Layer:
  lines w0.254: 75.438,37.211 75.692,36.957 76.581,36.957 107.696,36.957 147.955,36.957 149.352,38.354 149.352,119.38 147.955,120.777 78.105,120.777 75.438,118.11 75.438,37.211

## Silkscreen, mask and mechanical layers (free items; w line width, h text height)
Top Overlay:
  text "Operate" at 80.137,111.765 h2
  text "GND" at 96.14,104.283 h1.2
  text "USB" at 140.95,94.107 h1.5 r90
  text "SDA" at 128.27,89.17 h1.2
  text "SCL" at 128.27,86.376 h1.2
  text "Battery" at 140.805,86.233 h1.5 r90
  text "Rx" at 129.159,81.534 h1.2
  text "Tx" at 129.159,78.867 h1.2
  text "Input 1" at 77.216,53.757 h1.5
  text "Input 2" at 82.042,53.757 h1.5
  text "Input 3" at 87.122,53.757 h1.5
  text "Input 4" at 91.948,53.757 h1.5
  text "GND" at 97.79,53.614 h1.5
Bottom Overlay:
  lines w0.254: 76.2,65.024 80.899,65.024 85.972,65.024 ; 76.2,67.564 80.772,67.564 85.979,67.564 ; 76.2,69.977 80.899,69.977 85.979,69.977 ; 76.2,75.184 80.899,75.184 85.979,75.184 ; 76.327,72.644 80.899,72.644 ; 78.613,62.547 78.613,77.724 ; 80.645,72.644 85.979,72.644 ; 81.026,62.611 81.026,77.724 ; 103.124,36.957 103.124,41.783 104.648,43.307 109.125,43.307 ; 117.919,43.307 125.222,43.307 126.492,42.037 126.492,36.957 ; 127.508,64.897 128.27,64.897 135.763,64.897 138.557,64.897 ; 127.508,67.437 128.27,67.437 135.763,67.437 138.557,67.437 ; 127.508,69.977 128.27,69.977 135.763,69.977 138.557,69.977 ; 127.508,72.517 128.397,72.517 130.683,72.517 ; 135.763,75.057 135.763,62.357 127.508,62.357 127.508,74.295 128.27,75.057 130.683,75.057 ; 137.668,75.057 130.683,75.057 ; 138.557,72.517 130.683,72.517 ; 76.2,77.724 76.2,62.484 80.899,62.484 85.964,62.484 85.979,62.499 85.979,67.564 ; 76.2,77.724 76.2,78.867 76.2,80.645 76.391,80.835 76.835,81.28 79.502,81.28 85.598,81.28 85.979,80.899 85.979,78.105 85.979,77.724 ; 76.2,77.724 81.026,77.724 ; 81.026,77.724 85.979,77.724 ; 85.979,67.564 85.979,77.724 ; 130.683,62.357 130.683,72.517 ; 130.683,62.357 138.557,62.357 138.557,74.168 137.795,74.93 137.795,77.47 137.541,77.724 131.191,77.724 130.683,77.216 130.683,75.057 ; 130.683,62.357 130.683,75.057
  text "-" at 146.881,116.078 h2 r90
  text "+" at 147.066,112.53 h2
  text "TRST" at 103.378,111.9 h1
  text "TMS" at 108.077,111.9 h1
  text "TCK" at 110.617,111.9 h1
  text "TDO" at 115.824,111.9 h1
  text "NRST" at 118.618,111.9 h1
  text "TDI" at 105.41,111.887 h1
  text "Digital I/O" at 85.09,79.09 h1.8
  text "PC15" at 78.232,76.211 h0.8
  text "PC14" at 80.645,76.211 h0.8
  text "Digital I/O" at 136.906,76.091 h1.4
  text "PB9" at 78.232,73.67 h0.8
  text "PC13" at 80.645,73.671 h0.8
  text "PC6" at 137.922,73.295 h1.2
  text "PB15" at 130.302,73.291 h1.2
  text "PB8" at 78.232,71.128 h0.8
  text "PC0" at 80.645,71.131 h0.8
  text "PC7" at 137.922,71.009 h1.2
  text "PB14" at 130.302,70.866 h1.2
  text "PC1" at 80.645,68.718 h0.8
  text "PB5" at 78.232,68.588 h0.8
  text "PC8" at 137.922,68.469 h1.2
  text "PB13" at 130.302,68.465 h1.2
  text "PB4" at 78.232,66.167 h0.8
  text "PA0" at 80.518,66.175 h0.8
  text "PC9" at 137.922,65.929 h1.2
  text "PB12" at 130.302,65.913 h1.2
  text "PB3" at 78.232,63.635 h0.8
  text "PA1" at 80.518,63.627 h0.8
  text "PA8" at 137.922,63.385 h1.2
  text "PB10" at 130.302,63.258 h1.2
  text "IMU SPI SIGNAL" at 117.602,42.942 h1.2